# Altium PCB Slave.PcbDoc (part 5 of 12) (continued)
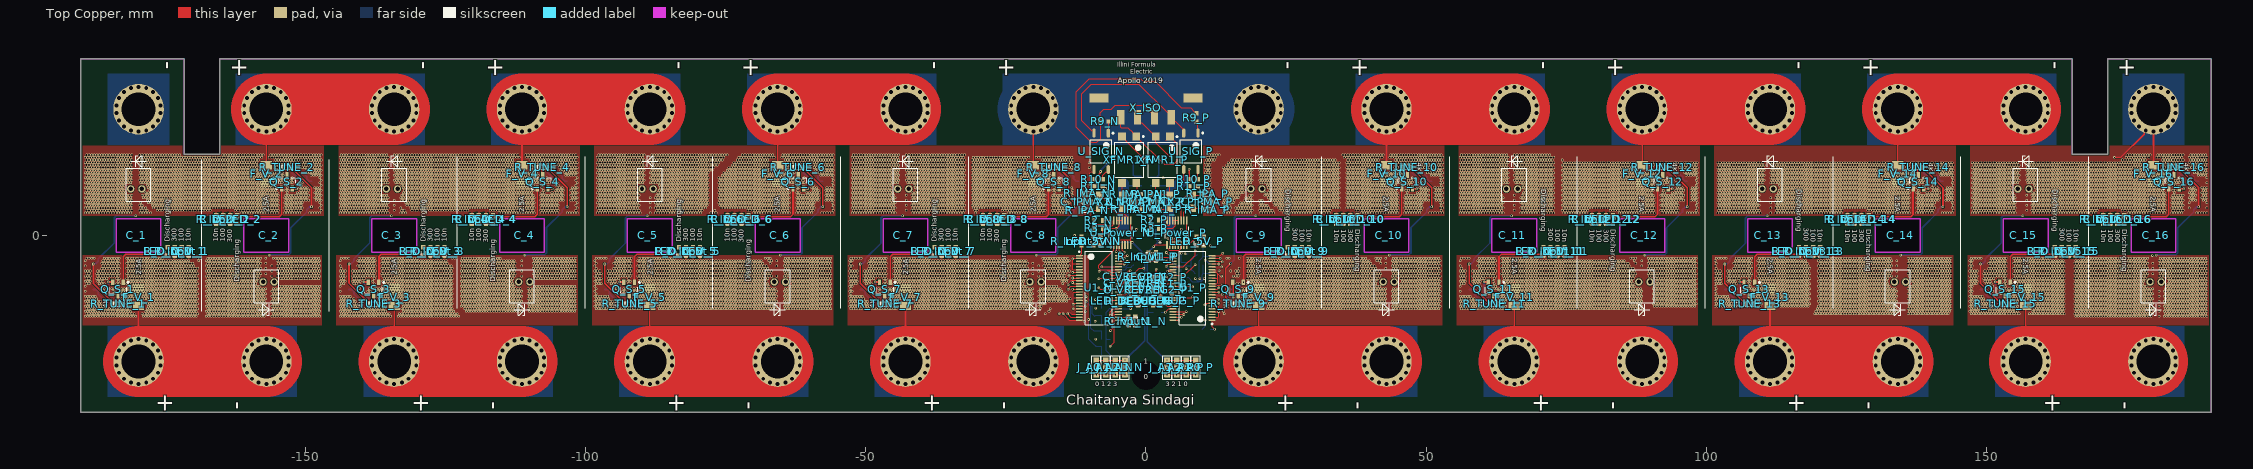
[diagram p0: Top Copper view]
## Nets (pads, with @x,y where several pads share a name; then routed paths per layer and width w, separated by ;. In a path a pad name is that pad's centre, name@x,y a point inside that pad or via, vN(x,y) a via of type N, cw(c..) or ccw(c..) an arc to the next point about the centre after c; other vN are vias at no path point) (continued)
F_5: C_V_5.2 F_V_5.2 PTC_5.2 Q_D_5.2 R_D_LED_5.2 R_Input_5.1 | length 3.9
  Top Copper w0.254: R_D_LED_5.2@-82.05,-3.6 R_Input_5.1@-80.8,-3.6 C_V_5.2@-79.55,-3.6
  Top Copper w0.305: F_V_5.2@-88.525,-9.48 v1@-88.525,-8.1
  other v1: -98.075,-13.1 -97.625,-13.1 -97.175,-13.1 -96.725,-13.1 -96.275,-13.1 -95.825,-13.1 -95.375,-13.1 -94.925,-13.1 -94.475,-13.1 -94.025,-13.1 -93.575,-13.1 -93.125,-13.1 -92.675,-13.1 -92.225,-13.1 -91.775,-13.1 -91.325,-13.1 -90.875,-13.1 -90.425,-13.1 -89.975,-13.1 -86.825,-13.1 -86.375,-13.1 -85.925,-13.1 -85.475,-13.1 -85.025,-13.1 -84.575,-13.1 -84.125,-13.1 -83.675,-13.1 -83.225,-13.1 -82.775,-13.1 -82.325,-13.1 -81.875,-13.1 -81.425,-13.1 -80.975,-13.1 -80.525,-13.1 -80.075,-13.1 -79.625,-13.1 -79.175,-13.1 -78.725,-13.1 -78.275,-13.1 -77.825,-13.1 -77.375,-13.1 -76.925,-13.1 -76.475,-13.1 -76.025,-13.1 -75.575,-13.1 -75.125,-13.1 -74.675,-13.1 -74.225,-13.1 -73.775,-13.1 -73.325,-13.1 -72.875,-13.1 -72.425,-13.1 -71.975,-13.1 -71.525,-13.1 -71.075,-13.1 -70.625,-13.1 -70.175,-13.1 -69.725,-13.1 -69.275,-13.1 -68.825,-13.1 -68.375,-13.1 -67.925,-13.1 -67.475,-13.1 -67.025,-13.1 -66.575,-13.1 -66.125,-13.1 -64.325,-13.1 -63.875,-13.1 -63.425,-13.1 -62.975,-13.1 -62.525,-13.1 -62.075,-13.1 -61.625,-13.1 -61.175,-13.1 -60.725,-13.1 -60.275,-13.1 -59.825,-13.1 -59.375,-13.1 -58.925,-13.1 -58.475,-13.1 -58.025,-13.1 -57.575,-13.1 -57.125,-13.1 -56.675,-13.1 -56.225,-13.1 -98.3,-12.65 -97.85,-12.65 -97.4,-12.65 -96.95,-12.65 -96.5,-12.65 -96.05,-12.65 -95.6,-12.65 -95.15,-12.65 -94.7,-12.65 -94.25,-12.65 -90.2,-12.65 -87.05,-12.65 -86.6,-12.65 -86.15,-12.65 -85.7,-12.65 -85.25,-12.65 -84.8,-12.65 -84.35,-12.65 -83.9,-12.65 -83.45,-12.65 -83,-12.65 -82.55,-12.65 -82.1,-12.65 -81.65,-12.65 -81.2,-12.65 -80.75,-12.65 -80.3,-12.65 -79.85,-12.65 -79.4,-12.65 -78.95,-12.65 -78.5,-12.65 -78.05,-12.65 -77.6,-12.65 -77.15,-12.65 -76.7,-12.65 -76.25,-12.65 -75.8,-12.65 -75.35,-12.65 -74.9,-12.65 -74.45,-12.65 -74,-12.65 -73.55,-12.65 -73.1,-12.65 -72.65,-12.65 -72.2,-12.65 -71.75,-12.65 -71.3,-12.65 -70.85,-12.65 -70.4,-12.65 -69.95,-12.65 -69.5,-12.65 -69.05,-12.65 -68.6,-12.65 -68.15,-12.65 -67.7,-12.65 -67.25,-12.65 -66.8,-12.65 -66.35,-12.65 -65.9,-12.65 -64.55,-12.65 -64.1,-12.65 -63.65,-12.65 -63.2,-12.65 -62.75,-12.65 -62.3,-12.65 -61.85,-12.65 -61.4,-12.65 -60.95,-12.65 -60.5,-12.65 -60.05,-12.65 -59.6,-12.65 -59.15,-12.65 -58.7,-12.65 -58.25,-12.65 -57.8,-12.65 -57.35,-12.65 -56.9,-12.65 -56.45,-12.65 -98.075,-12.2 -97.625,-12.2 -97.175,-12.2 -96.725,-12.2 -96.275,-12.2 -95.825,-12.2 -95.375,-12.2 -94.925,-12.2 -90.425,-12.2 -89.975,-12.2 -86.825,-12.2 -86.375,-12.2 -85.925,-12.2 -85.475,-12.2 -85.025,-12.2 -84.575,-12.2 -84.125,-12.2 -83.675,-12.2 -83.225,-12.2 -82.775,-12.2 -82.325,-12.2 -81.875,-12.2 -81.425,-12.2 -80.975,-12.2 -80.525,-12.2 -80.075,-12.2 -79.625,-12.2 -79.175,-12.2 -78.725,-12.2 -78.275,-12.2 -77.825,-12.2 -77.375,-12.2 -76.925,-12.2 -76.475,-12.2 -76.025,-12.2 -75.575,-12.2 -75.125,-12.2 -74.675,-12.2 -74.225,-12.2 -73.775,-12.2 -73.325,-12.2 -72.875,-12.2 -72.425,-12.2 -71.975,-12.2 -71.525,-12.2 -71.075,-12.2 -70.625,-12.2 -70.175,-12.2 -69.725,-12.2 -69.275,-12.2 -68.825,-12.2 -68.375,-12.2 -67.925,-12.2 -67.475,-12.2 -67.025,-12.2 -66.575,-12.2 -66.125,-12.2 -64.325,-12.2 -63.875,-12.2 -63.425,-12.2 -62.975,-12.2 -62.525,-12.2 -62.075,-12.2 -61.625,-12.2 -61.175,-12.2 -60.725,-12.2 -60.275,-12.2 -59.825,-12.2 -59.375,-12.2 -58.925,-12.2 -58.475,-12.2 -58.025,-12.2 -57.575,-12.2 -57.125,-12.2 -56.675,-12.2 -56.225,-12.2 -98.3,-11.75 -97.85,-11.75 -97.4,-11.75 -96.95,-11.75 -96.5,-11.75 -96.05,-11.75 -95.6,-11.75 -95.15,-11.75 -90.2,-11.75 -87.05,-11.75 -86.6,-11.75 -86.15,-11.75 -85.7,-11.75 -85.25,-11.75 -84.8,-11.75 -84.35,-11.75 -83.9,-11.75 -83.45,-11.75 -83,-11.75 -82.55,-11.75 -82.1,-11.75 -81.65,-11.75 -81.2,-11.75 -80.75,-11.75 -80.3,-11.75 -79.85,-11.75 -79.4,-11.75 -78.95,-11.75 -78.5,-11.75 -78.05,-11.75 -77.6,-11.75 -77.15,-11.75 -76.7,-11.75 -76.25,-11.75 -75.8,-11.75 -75.35,-11.75 -74.9,-11.75 -74.45,-11.75 -74,-11.75 -73.55,-11.75 -73.1,-11.75 -72.65,-11.75 -72.2,-11.75 -71.75,-11.75 -71.3,-11.75 -70.85,-11.75 -70.4,-11.75 -69.95,-11.75 -69.5,-11.75 -69.05,-11.75 -68.6,-11.75 -68.15,-11.75 -67.7,-11.75 -67.25,-11.75 -66.8,-11.75 -66.35,-11.75 -65.9,-11.75 -64.55,-11.75 -64.1,-11.75 -63.65,-11.75 -63.2,-11.75 -62.75,-11.75 -62.3,-11.75 -61.85,-11.75 -61.4,-11.75 -60.95,-11.75 -60.5,-11.75 -60.05,-11.75 -59.6,-11.75 -59.15,-11.75 -58.7,-11.75 -58.25,-11.75 -57.8,-11.75 -57.35,-11.75 -56.9,-11.75 -56.45,-11.75 -98.075,-11.3 -97.625,-11.3 -97.175,-11.3 -96.725,-11.3 -96.275,-11.3 -95.825,-11.3 -91.325,-11.3 -90.875,-11.3 -90.425,-11.3 -89.975,-11.3 -89.525,-11.3 -89.075,-11.3 -88.625,-11.3 -88.175,-11.3 -87.725,-11.3 -87.275,-11.3 -86.825,-11.3 -86.375,-11.3 -85.925,-11.3 -85.475,-11.3 -85.025,-11.3 -84.575,-11.3 -84.125,-11.3 -83.675,-11.3 -83.225,-11.3 -82.775,-11.3 -82.325,-11.3 -81.875,-11.3 -81.425,-11.3 -80.975,-11.3 -80.525,-11.3 -80.075,-11.3 -79.625,-11.3 -79.175,-11.3 -78.725,-11.3 -78.275,-11.3 -77.825,-11.3 -77.375,-11.3 -76.925,-11.3 -76.475,-11.3 -76.025,-11.3 -75.575,-11.3 -75.125,-11.3 -74.675,-11.3 -74.225,-11.3 -73.775,-11.3 -73.325,-11.3 -72.875,-11.3 -72.425,-11.3 -71.975,-11.3 -71.525,-11.3 -71.075,-11.3 -70.625,-11.3 -70.175,-11.3 -69.725,-11.3 -69.275,-11.3 -68.825,-11.3 -68.375,-11.3 -67.925,-11.3 -67.475,-11.3 -67.025,-11.3 -66.575,-11.3 -66.125,-11.3 -64.325,-11.3 -63.875,-11.3 -63.425,-11.3 -62.975,-11.3 -62.525,-11.3 -62.075,-11.3 -61.625,-11.3 -61.175,-11.3 -60.725,-11.3 -60.275,-11.3 -59.825,-11.3 -59.375,-11.3 -58.925,-11.3 -58.475,-11.3 -58.025,-11.3 -57.575,-11.3 -57.125,-11.3 -56.675,-11.3 -56.225,-11.3 -98.3,-10.85 -97.85,-10.85 -97.4,-10.85 -96.95,-10.85 -96.5,-10.85 -96.05,-10.85 -91.1,-10.85 -90.65,-10.85 -90.2,-10.85 -89.75,-10.85 -89.3,-10.85 -88.85,-10.85 -88.4,-10.85 -87.95,-10.85 -87.5,-10.85 -87.05,-10.85 -86.6,-10.85 -86.15,-10.85 -85.7,-10.85 -85.25,-10.85 -84.8,-10.85 -84.35,-10.85 -83.9,-10.85 -83.45,-10.85 -83,-10.85 -82.55,-10.85 -82.1,-10.85 -81.65,-10.85 -81.2,-10.85 -80.75,-10.85 -80.3,-10.85 -79.85,-10.85 -79.4,-10.85 -78.95,-10.85 -78.5,-10.85 -78.05,-10.85 -77.6,-10.85 -77.15,-10.85 -76.7,-10.85 -76.25,-10.85 -75.8,-10.85 -75.35,-10.85 -74.9,-10.85 -74.45,-10.85 -74,-10.85 -73.55,-10.85 -73.1,-10.85 -72.65,-10.85 -72.2,-10.85 -71.75,-10.85 -71.3,-10.85 -70.85,-10.85 -70.4,-10.85 -69.95,-10.85 -69.5,-10.85 -69.05,-10.85 -68.6,-10.85 -68.15,-10.85 -67.7,-10.85 -67.25,-10.85 -66.8,-10.85 -66.35,-10.85 -65.9,-10.85 -64.55,-10.85 -64.1,-10.85 -63.65,-10.85 -63.2,-10.85 -62.75,-10.85 -62.3,-10.85 -61.85,-10.85 -61.4,-10.85 -60.95,-10.85 -60.5,-10.85 -60.05,-10.85 -59.6,-10.85 -59.15,-10.85 -58.7,-10.85 -58.25,-10.85 -57.8,-10.85 -57.35,-10.85 -56.9,-10.85 -56.45,-10.85 -98.075,-10.4 -93.125,-10.4 -91.325,-10.4 -90.875,-10.4 -90.425,-10.4 -89.975,-10.4 -89.525,-10.4 -89.075,-10.4 -88.625,-10.4 -88.175,-10.4 -87.725,-10.4 -87.275,-10.4 -86.825,-10.4 -86.375,-10.4 -85.925,-10.4 -85.475,-10.4 -85.025,-10.4 -84.575,-10.4 -84.125,-10.4 -83.675,-10.4 -83.225,-10.4 -82.775,-10.4 -82.325,-10.4 -81.875,-10.4 -81.425,-10.4 -80.975,-10.4 -80.525,-10.4 -80.075,-10.4 -79.625,-10.4 -79.175,-10.4 -78.725,-10.4 -78.275,-10.4 -77.825,-10.4 -77.375,-10.4 -76.925,-10.4 -76.475,-10.4 -76.025,-10.4 -75.575,-10.4 -75.125,-10.4 -74.675,-10.4 -74.225,-10.4 -73.775,-10.4 -73.325,-10.4 -72.875,-10.4 -72.425,-10.4 -71.975,-10.4 -71.525,-10.4 -71.075,-10.4 -70.625,-10.4 -70.175,-10.4 -69.725,-10.4 -69.275,-10.4 -68.825,-10.4 -68.375,-10.4 -67.925,-10.4 -67.475,-10.4 -67.025,-10.4 -66.575,-10.4 -66.125,-10.4 -64.325,-10.4 -63.875,-10.4 -63.425,-10.4 -62.975,-10.4 -62.525,-10.4 -62.075,-10.4 -61.625,-10.4 -61.175,-10.4 -60.725,-10.4 -60.275,-10.4 -59.825,-10.4 -59.375,-10.4 -58.925,-10.4 -58.475,-10.4 -58.025,-10.4 -57.575,-10.4 -57.125,-10.4 -56.675,-10.4 -56.225,-10.4 -98.3,-9.95 -93.35,-9.95 -92.9,-9.95 -91.55,-9.95 -91.1,-9.95 -90.65,-9.95 -90.2,-9.95 -89.75,-9.95 -89.3,-9.95 -88.85,-9.95 -88.4,-9.95 -87.95,-9.95 -87.5,-9.95 -87.05,-9.95 -86.6,-9.95 -86.15,-9.95 -85.7,-9.95 -85.25,-9.95 -84.8,-9.95 -84.35,-9.95 -83.9,-9.95 -83.45,-9.95 -83,-9.95 -82.55,-9.95 -82.1,-9.95 -81.65,-9.95 -81.2,-9.95 -80.75,-9.95 -80.3,-9.95 -79.85,-9.95 -79.4,-9.95 -78.95,-9.95 -78.5,-9.95 -78.05,-9.95 -77.6,-9.95 -77.15,-9.95 -76.7,-9.95 -76.25,-9.95 -75.8,-9.95 -75.35,-9.95 -74.9,-9.95 -74.45,-9.95 -74,-9.95 -73.55,-9.95 -73.1,-9.95 -72.65,-9.95 -72.2,-9.95 -71.75,-9.95 -71.3,-9.95 -70.85,-9.95 -70.4,-9.95 -69.95,-9.95 -69.5,-9.95 -69.05,-9.95 -68.6,-9.95 -68.15,-9.95 -67.7,-9.95 -67.25,-9.95 -66.8,-9.95 -66.35,-9.95 -65.9,-9.95 -64.55,-9.95 -64.1,-9.95 -63.65,-9.95 -63.2,-9.95 -62.75,-9.95 -62.3,-9.95 -61.85,-9.95 -61.4,-9.95 -60.95,-9.95 -60.5,-9.95 -60.05,-9.95 -59.6,-9.95 -59.15,-9.95 -58.7,-9.95 -58.25,-9.95 -57.8,-9.95 -57.35,-9.95 -56.9,-9.95 -56.45,-9.95 -98.075,-9.5 -94.475,-9.5 -93.125,-9.5 -92.675,-9.5 -92.225,-9.5 -91.775,-9.5 -91.325,-9.5 -90.875,-9.5 -90.425,-9.5 -89.975,-9.5 -89.525,-9.5 -89.075,-9.5 -88.625,-9.5 -88.175,-9.5 -87.725,-9.5 -87.275,-9.5 -86.825,-9.5 -86.375,-9.5 -85.925,-9.5 -85.475,-9.5 -85.025,-9.5 -84.575,-9.5 -84.125,-9.5 -83.675,-9.5 -83.225,-9.5 -82.775,-9.5 -82.325,-9.5 -81.875,-9.5 -81.425,-9.5 -80.975,-9.5 -80.525,-9.5 -80.075,-9.5 -79.625,-9.5 -79.175,-9.5 -78.725,-9.5 -78.275,-9.5 -77.825,-9.5 -77.375,-9.5 -76.925,-9.5 -76.475,-9.5 -76.025,-9.5 -75.575,-9.5 -75.125,-9.5 -74.675,-9.5 -74.225,-9.5 -73.775,-9.5 -73.325,-9.5 -72.875,-9.5 -72.425,-9.5 -71.975,-9.5 -71.525,-9.5 -71.075,-9.5 -70.625,-9.5 -70.175,-9.5 -69.725,-9.5 -69.275,-9.5 -68.825,-9.5 -68.375,-9.5 -67.925,-9.5 -67.475,-9.5 -67.025,-9.5 -66.575,-9.5 -66.125,-9.5 -64.325,-9.5 -63.875,-9.5 -63.425,-9.5 -62.975,-9.5 -62.525,-9.5 -62.075,-9.5 -61.625,-9.5 -61.175,-9.5 -60.725,-9.5 -60.275,-9.5 -59.825,-9.5 -59.375,-9.5 -58.925,-9.5 -58.475,-9.5 -58.025,-9.5 -57.575,-9.5 -57.125,-9.5 -56.675,-9.5 -56.225,-9.5 -98.3,-9.05 -94.7,-9.05 -92.45,-9.05 -92,-9.05 -90.2,-9.05 -89.75,-9.05 -89.3,-9.05 -88.85,-9.05 -88.4,-9.05 -87.95,-9.05 -87.5,-9.05 -87.05,-9.05 -86.6,-9.05 -86.15,-9.05 -85.7,-9.05 -85.25,-9.05 -84.8,-9.05 -84.35,-9.05 -83.9,-9.05 -83.45,-9.05 -83,-9.05 -82.55,-9.05 -82.1,-9.05 -81.65,-9.05 -81.2,-9.05 -80.75,-9.05 -80.3,-9.05 -79.85,-9.05 -79.4,-9.05 -78.95,-9.05 -78.5,-9.05 -78.05,-9.05 -77.6,-9.05 -77.15,-9.05 -76.7,-9.05 -76.25,-9.05 -75.8,-9.05 -75.35,-9.05 -74.9,-9.05 -74.45,-9.05 -74,-9.05 -73.55,-9.05 -73.1,-9.05 -72.65,-9.05 -72.2,-9.05 -71.75,-9.05 -71.3,-9.05 -70.85,-9.05 -70.4,-9.05 -69.95,-9.05 -69.5,-9.05 -69.05,-9.05 -68.6,-9.05 -68.15,-9.05 -67.7,-9.05 -67.25,-9.05 -63.65,-9.05 -63.2,-9.05 -62.75,-9.05 -62.3,-9.05 -61.85,-9.05 -61.4,-9.05 -60.95,-9.05 -60.5,-9.05 -60.05,-9.05 -59.6,-9.05 -59.15,-9.05 -58.7,-9.05 -58.25,-9.05 -57.8,-9.05 -57.35,-9.05 -56.9,-9.05 -56.45,-9.05 -98.075,-8.6 -97.625,-8.6 -97.175,-8.6 -95.375,-8.6 -94.925,-8.6 -94.475,-8.6 -92.225,-8.6 -90.425,-8.6 -89.975,-8.6 -89.525,-8.6 -89.075,-8.6 -88.625,-8.6 -88.175,-8.6 -87.725,-8.6 -87.275,-8.6 -86.825,-8.6 -86.375,-8.6 -85.925,-8.6 -85.475,-8.6 -85.025,-8.6 -84.575,-8.6 -84.125,-8.6 -83.675,-8.6 -83.225,-8.6 -82.775,-8.6 -82.325,-8.6 -81.875,-8.6 -81.425,-8.6 -80.975,-8.6 -80.525,-8.6 -80.075,-8.6 -79.625,-8.6 -79.175,-8.6 -78.725,-8.6 -78.275,-8.6 -77.825,-8.6 -77.375,-8.6 -76.925,-8.6 -76.475,-8.6 -76.025,-8.6 -75.575,-8.6 -75.125,-8.6 -74.675,-8.6 -74.225,-8.6 -73.775,-8.6 -73.325,-8.6 -72.875,-8.6 -72.425,-8.6 -71.975,-8.6 -71.525,-8.6 -71.075,-8.6 -70.625,-8.6 -70.175,-8.6 -69.725,-8.6 -69.275,-8.6 -68.825,-8.6 -68.375,-8.6 -67.925,-8.6 -67.475,-8.6 -62.975,-8.6 -62.525,-8.6 -62.075,-8.6 -61.625,-8.6 -61.175,-8.6 -60.725,-8.6 -60.275,-8.6 -59.825,-8.6 -59.375,-8.6 -58.925,-8.6 -58.475,-8.6 -58.025,-8.6 -57.575,-8.6 -57.125,-8.6 -56.675,-8.6 -56.225,-8.6 -98.3,-8.15 -97.85,-8.15 -97.4,-8.15 -96.05,-8.15 -95.6,-8.15 -95.15,-8.15 -94.7,-8.15 -92.45,-8.15 -92,-8.15 -90.2,-8.15 -89.75,-8.15 -89.3,-8.15 -88.85,-8.15 -88.4,-8.15 -87.95,-8.15 -87.5,-8.15 -87.05,-8.15 -86.6,-8.15 -86.15,-8.15 -85.7,-8.15 -85.25,-8.15 -84.8,-8.15 -84.35,-8.15 -83.9,-8.15 -83.45,-8.15 -83,-8.15 -82.55,-8.15 -82.1,-8.15 -81.65,-8.15 -81.2,-8.15 -80.75,-8.15 -80.3,-8.15 -79.85,-8.15 -79.4,-8.15 -78.95,-8.15 -78.5,-8.15 -78.05,-8.15 -77.6,-8.15 -77.15,-8.15 -76.7,-8.15 -76.25,-8.15 -75.8,-8.15 -75.35,-8.15 -74.9,-8.15 -74.45,-8.15 -74,-8.15 -73.55,-8.15 -73.1,-8.15 -72.65,-8.15 -72.2,-8.15 -71.75,-8.15 -71.3,-8.15 -70.85,-8.15 -70.4,-8.15 -69.95,-8.15 -69.5,-8.15 -69.05,-8.15 -68.6,-8.15 -68.15,-8.15 -67.7,-8.15 -63.2,-8.15 -62.75,-8.15 -62.3,-8.15 -61.85,-8.15 -61.4,-8.15 -60.95,-8.15 -60.5,-8.15 -60.05,-8.15 -59.6,-8.15 -59.15,-8.15 -58.7,-8.15 -58.25,-8.15 -57.8,-8.15 -57.35,-8.15 -56.9,-8.15 -56.45,-8.15 -98.075,-7.7 -97.625,-7.7 -97.175,-7.7 -95.825,-7.7 -95.375,-7.7 -94.925,-7.7 -94.475,-7.7 -94.025,-7.7 -92.225,-7.7 -90.425,-7.7 -89.975,-7.7 -89.525,-7.7 -89.075,-7.7 -88.625,-7.7 -88.175,-7.7 -87.725,-7.7 -87.275,-7.7 -86.825,-7.7 -86.375,-7.7 -85.925,-7.7 -85.475,-7.7 -85.025,-7.7 -84.575,-7.7 -84.125,-7.7 -83.675,-7.7 -83.225,-7.7 -82.775,-7.7 -82.325,-7.7 -81.875,-7.7 -81.425,-7.7 -80.975,-7.7 -80.525,-7.7 -80.075,-7.7 -79.625,-7.7 -79.175,-7.7 -78.725,-7.7 -78.275,-7.7 -77.825,-7.7 -77.375,-7.7 -76.925,-7.7 -76.475,-7.7 -76.025,-7.7 -75.575,-7.7 -75.125,-7.7 -74.675,-7.7 -74.225,-7.7 -73.775,-7.7 -73.325,-7.7 -72.875,-7.7 -72.425,-7.7 -71.975,-7.7 -71.525,-7.7 -71.075,-7.7 -70.625,-7.7 -70.175,-7.7 -69.725,-7.7 -69.275,-7.7 -68.825,-7.7 -68.375,-7.7 -67.925,-7.7 -67.475,-7.7 -63.425,-7.7 -62.975,-7.7 -62.525,-7.7 -62.075,-7.7 -61.625,-7.7 -61.175,-7.7 -60.725,-7.7 -60.275,-7.7 -59.825,-7.7 -59.375,-7.7 -58.925,-7.7 -58.475,-7.7 -58.025,-7.7 -57.575,-7.7 -57.125,-7.7 -56.675,-7.7 -56.225,-7.7 -98.3,-7.25 -97.85,-7.25 -97.4,-7.25 -96.05,-7.25 -95.6,-7.25 -95.15,-7.25 -94.7,-7.25 -94.25,-7.25 -93.8,-7.25 -93.35,-7.25 -92.9,-7.25 -92.45,-7.25 -92,-7.25 -90.65,-7.25 -90.2,-7.25 -89.75,-7.25 -89.3,-7.25 -88.85,-7.25 -88.4,-7.25 -87.95,-7.25 -87.5,-7.25 -87.05,-7.25 -86.6,-7.25 -86.15,-7.25 -85.7,-7.25 -85.25,-7.25 -84.8,-7.25 -84.35,-7.25 -83.9,-7.25 -83.45,-7.25 -83,-7.25 -82.55,-7.25 -82.1,-7.25 -81.65,-7.25 -81.2,-7.25 -80.75,-7.25 -80.3,-7.25 -79.85,-7.25 -79.4,-7.25 -78.95,-7.25 -78.5,-7.25 -78.05,-7.25 -77.6,-7.25 -77.15,-7.25 -76.7,-7.25 -76.25,-7.25 -75.8,-7.25 -75.35,-7.25 -74.9,-7.25 -74.45,-7.25 -74,-7.25 -73.55,-7.25 -73.1,-7.25 -72.65,-7.25 -72.2,-7.25 -71.75,-7.25 -71.3,-7.25 -70.85,-7.25 -70.4,-7.25 -69.95,-7.25 -69.5,-7.25 -69.05,-7.25 -68.6,-7.25 -68.15,-7.25 -67.7,-7.25 -67.25,-7.25 -66.8,-7.25 -65.9,-7.25 -64.55,-7.25 -64.1,-7.25 -63.65,-7.25 -63.2,-7.25 -62.75,-7.25 -62.3,-7.25 -61.85,-7.25 -61.4,-7.25 -60.95,-7.25 -60.5,-7.25 -60.05,-7.25 -59.6,-7.25 -59.15,-7.25 -58.7,-7.25 -58.25,-7.25 -57.8,-7.25 -57.35,-7.25 -56.9,-7.25 -56.45,-7.25 -98.075,-6.8 -97.625,-6.8 -97.175,-6.8 -95.825,-6.8 -95.375,-6.8 -94.925,-6.8 -94.475,-6.8 -94.025,-6.8 -93.575,-6.8 -93.125,-6.8 -92.675,-6.8 -92.225,-6.8 -91.775,-6.8 -90.425,-6.8 -89.975,-6.8 -89.525,-6.8 -89.075,-6.8 -88.625,-6.8 -88.175,-6.8 -87.725,-6.8 -87.275,-6.8 -86.825,-6.8 -86.375,-6.8 -85.925,-6.8 -85.475,-6.8 -85.025,-6.8 -84.575,-6.8 -84.125,-6.8 -83.675,-6.8 -83.225,-6.8 -82.775,-6.8 -82.325,-6.8 -81.875,-6.8 -81.425,-6.8 -80.975,-6.8 -80.525,-6.8 -80.075,-6.8 -79.625,-6.8 -79.175,-6.8 -78.725,-6.8 -78.275,-6.8 -77.825,-6.8 -77.375,-6.8 -76.925,-6.8 -76.475,-6.8 -76.025,-6.8 -75.575,-6.8 -75.125,-6.8 -74.675,-6.8 -74.225,-6.8 -73.775,-6.8 -73.325,-6.8 -72.875,-6.8 -72.425,-6.8 -71.975,-6.8 -71.525,-6.8 -71.075,-6.8 -70.625,-6.8 -70.175,-6.8 -69.725,-6.8 -69.275,-6.8 -68.825,-6.8 -68.375,-6.8 -67.925,-6.8 -67.475,-6.8 -67.025,-6.8 -64.325,-6.8 -63.875,-6.8 -63.425,-6.8 -62.975,-6.8 -62.525,-6.8 -62.075,-6.8 -61.625,-6.8 -61.175,-6.8 -60.725,-6.8 -60.275,-6.8 -59.825,-6.8 -59.375,-6.8 -58.925,-6.8 -58.475,-6.8 -58.025,-6.8 -57.575,-6.8 -57.125,-6.8 -56.675,-6.8 -56.225,-6.8 -98.3,-6.35 -97.85,-6.35 -97.4,-6.35 -96.05,-6.35 -95.6,-6.35 -95.15,-6.35 -94.7,-6.35 -94.25,-6.35 -93.8,-6.35 -93.35,-6.35 -92.9,-6.35 -92.45,-6.35 -92,-6.35 -90.65,-6.35 -90.2,-6.35 -89.75,-6.35 -89.3,-6.35 -88.85,-6.35 -88.4,-6.35 -87.95,-6.35 -87.5,-6.35 -87.05,-6.35 -86.6,-6.35 -86.15,-6.35 -85.7,-6.35 -85.25,-6.35 -84.8,-6.35 -84.35,-6.35 -83.9,-6.35 -83.45,-6.35 -83,-6.35 -82.55,-6.35 -82.1,-6.35 -81.65,-6.35 -81.2,-6.35 -80.75,-6.35 -80.3,-6.35 -79.85,-6.35 -79.4,-6.35 -78.95,-6.35 -78.5,-6.35 -78.05,-6.35 -77.6,-6.35 -77.15,-6.35 -76.7,-6.35 -76.25,-6.35 -75.8,-6.35 -75.35,-6.35 -74.9,-6.35 -74.45,-6.35 -74,-6.35 -73.55,-6.35 -73.1,-6.35 -72.65,-6.35 -72.2,-6.35 -71.75,-6.35 -71.3,-6.35 -70.85,-6.35 -70.4,-6.35 -69.95,-6.35 -69.5,-6.35 -69.05,-6.35 -68.6,-6.35 -68.15,-6.35 -67.7,-6.35 -67.25,-6.35 -66.8,-6.35 -64.55,-6.35 -64.1,-6.35 -63.65,-6.35 -63.2,-6.35 -62.75,-6.35 -62.3,-6.35 -61.85,-6.35 -61.4,-6.35 -60.95,-6.35 -60.5,-6.35 -60.05,-6.35 -59.6,-6.35 -59.15,-6.35 -58.7,-6.35 -58.25,-6.35 -57.8,-6.35 -57.35,-6.35 -56.9,-6.35 -56.45,-6.35 -98.075,-5.9 -94.925,-5.9 -94.475,-5.9 -94.025,-5.9 -93.575,-5.9 -93.125,-5.9 -92.675,-5.9 -92.225,-5.9 -91.775,-5.9 -90.425,-5.9 -89.975,-5.9 -89.525,-5.9 -89.075,-5.9 -88.625,-5.9 -88.175,-5.9 -87.725,-5.9 -87.275,-5.9 -86.825,-5.9 -86.375,-5.9 -85.925,-5.9 -85.475,-5.9 -85.025,-5.9 -84.575,-5.9 -84.125,-5.9 -83.675,-5.9 -83.225,-5.9 -82.775,-5.9 -82.325,-5.9 -81.875,-5.9 -81.425,-5.9 -80.975,-5.9 -80.525,-5.9 -80.075,-5.9 -79.625,-5.9 -79.175,-5.9 -78.725,-5.9 -78.275,-5.9 -77.825,-5.9 -77.375,-5.9 -76.925,-5.9 -76.475,-5.9 -76.025,-5.9 -75.575,-5.9 -75.125,-5.9 -74.675,-5.9 -74.225,-5.9 -73.775,-5.9 -73.325,-5.9 -72.875,-5.9 -72.425,-5.9 -71.975,-5.9 -71.525,-5.9 -71.075,-5.9 -70.625,-5.9 -70.175,-5.9 -69.725,-5.9 -69.275,-5.9 -68.825,-5.9 -68.375,-5.9 -67.925,-5.9 -67.475,-5.9 -64.325,-5.9 -63.875,-5.9 -63.425,-5.9 -62.975,-5.9 -62.525,-5.9 -62.075,-5.9 -61.625,-5.9 -61.175,-5.9 -60.725,-5.9 -60.275,-5.9 -59.825,-5.9 -59.375,-5.9 -58.925,-5.9 -58.475,-5.9 -58.025,-5.9 -57.575,-5.9 -57.125,-5.9 -56.675,-5.9 -56.225,-5.9 -98.3,-5.45 -94.7,-5.45 -94.25,-5.45 -93.8,-5.45 -93.35,-5.45 -92.9,-5.45 -92.45,-5.45 -92,-5.45 -90.65,-5.45 -90.2,-5.45 -89.75,-5.45 -89.3,-5.45 -88.85,-5.45 -88.4,-5.45 -87.95,-5.45 -87.5,-5.45 -87.05,-5.45 -86.6,-5.45 -86.15,-5.45 -85.7,-5.45 -85.25,-5.45 -84.8,-5.45 -84.35,-5.45 -83.9,-5.45 -83.45,-5.45 -83,-5.45 -82.55,-5.45 -82.1,-5.45 -81.65,-5.45 -81.2,-5.45 -80.75,-5.45 -80.3,-5.45 -79.85,-5.45 -79.4,-5.45 -78.95,-5.45 -78.5,-5.45 -78.05,-5.45 -77.6,-5.45 -77.15,-5.45 -76.7,-5.45 -76.25,-5.45 -75.8,-5.45 -75.35,-5.45 -74.9,-5.45 -74.45,-5.45 -74,-5.45 -73.55,-5.45 -73.1,-5.45 -72.65,-5.45 -72.2,-5.45 -71.75,-5.45 -71.3,-5.45 -70.85,-5.45 -70.4,-5.45 -69.95,-5.45 -69.5,-5.45 -69.05,-5.45 -68.6,-5.45 -68.15,-5.45 -67.7,-5.45 -65.9,-5.45 -64.55,-5.45 -64.1,-5.45 -63.65,-5.45 -63.2,-5.45 -62.75,-5.45 -62.3,-5.45 -61.85,-5.45 -61.4,-5.45 -60.95,-5.45 -60.5,-5.45 -60.05,-5.45 -59.6,-5.45 -59.15,-5.45 -58.7,-5.45 -58.25,-5.45 -57.8,-5.45 -57.35,-5.45 -56.9,-5.45 -56.45,-5.45 -98.075,-5 -94.925,-5 -94.475,-5 -94.025,-5 -93.575,-5 -93.125,-5 -92.675,-5 -92.225,-5 -91.775,-5 -90.425,-5 -89.975,-5 -89.525,-5 -89.075,-5 -88.625,-5 -88.175,-5 -87.725,-5 -87.275,-5 -86.825,-5 -86.375,-5 -85.925,-5 -85.475,-5 -85.025,-5 -84.575,-5 -84.125,-5 -83.675,-5 -83.225,-5 -82.775,-5 -82.325,-5 -81.875,-5 -81.425,-5 -80.975,-5 -80.525,-5 -80.075,-5 -79.625,-5 -79.175,-5 -78.725,-5 -78.275,-5 -77.825,-5 -77.375,-5 -76.925,-5 -76.475,-5 -76.025,-5 -75.575,-5 -75.125,-5 -74.675,-5 -74.225,-5 -73.775,-5 -73.325,-5 -72.875,-5 -72.425,-5 -71.975,-5 -71.525,-5 -71.075,-5 -70.625,-5 -70.175,-5 -69.725,-5 -69.275,-5 -68.825,-5 -68.375,-5 -67.025,-5 -64.325,-5 -63.875,-5 -63.425,-5 -62.975,-5 -62.525,-5 -62.075,-5 -61.625,-5 -61.175,-5 -60.725,-5 -60.275,-5 -59.825,-5 -59.375,-5 -58.925,-5 -58.475,-5 -58.025,-5 -57.575,-5 -57.125,-5 -56.675,-5 -56.225,-5 -98.3,-4.55 -94.7,-4.55 -94.25,-4.55 -93.8,-4.55 -93.35,-4.55 -92.9,-4.55 -92.45,-4.55 -92,-4.55 -90.65,-4.55 -90.2,-4.55 -89.75,-4.55 -89.3,-4.55 -88.85,-4.55 -88.4,-4.55 -87.95,-4.55 -87.5,-4.55 -87.05,-4.55 -86.6,-4.55 -86.15,-4.55 -85.7,-4.55 -85.25,-4.55 -84.8,-4.55 -84.35,-4.55 -83.9,-4.55 -83.45,-4.55 -83,-4.55 -82.55,-4.55 -82.1,-4.55 -81.65,-4.55 -81.2,-4.55 -80.75,-4.55 -80.3,-4.55 -79.85,-4.55 -79.4,-4.55 -78.95,-4.55 -78.5,-4.55 -78.05,-4.55 -77.6,-4.55 -77.15,-4.55 -76.7,-4.55 -76.25,-4.55 -75.8,-4.55 -75.35,-4.55 -74.9,-4.55 -74.45,-4.55 -74,-4.55 -73.55,-4.55 -73.1,-4.55 -72.65,-4.55 -72.2,-4.55 -71.75,-4.55 -71.3,-4.55 -70.85,-4.55 -70.4,-4.55 -69.95,-4.55 -69.5,-4.55 -69.05,-4.55 -68.6,-4.55 -67.25,-4.55 -66.8,-4.55 -65.9,-4.55 -64.55,-4.55 -64.1,-4.55 -63.65,-4.55 -63.2,-4.55 -62.75,-4.55 -62.3,-4.55 -61.85,-4.55 -61.4,-4.55 -60.95,-4.55 -60.5,-4.55 -60.05,-4.55 -59.6,-4.55 -59.15,-4.55 -58.7,-4.55 -58.25,-4.55 -57.8,-4.55 -57.35,-4.55 -56.9,-4.55 -56.45,-4.55 -98.075,-4.1 -97.625,-4.1 -97.175,-4.1 -96.725,-4.1 -96.275,-4.1 -94.475,-4.1 -94.025,-4.1 -93.575,-4.1 -93.125,-4.1 -92.675,-4.1 -92.225,-4.1 -91.775,-4.1 -90.425,-4.1 -89.975,-4.1 -89.525,-4.1 -89.075,-4.1 -88.625,-4.1 -88.175,-4.1 -87.725,-4.1 -87.275,-4.1 -86.825,-4.1 -86.375,-4.1 -85.925,-4.1 -85.475,-4.1 -85.025,-4.1 -84.575,-4.1 -84.125,-4.1 -67.925,-4.1 -67.475,-4.1 -67.025,-4.1 -64.325,-4.1 -63.875,-4.1 -63.425,-4.1 -62.975,-4.1 -62.525,-4.1 -62.075,-4.1 -61.625,-4.1 -61.175,-4.1 -60.725,-4.1 -60.275,-4.1 -59.825,-4.1 -59.375,-4.1 -58.925,-4.1 -58.475,-4.1 -58.025,-4.1 -57.575,-4.1 -57.125,-4.1 -56.675,-4.1 -56.225,-4.1